# Altium PCB waffling60-MXHS-ANSI.PcbDoc (part 2 of 2)
Units mm, origin at the board's own origin, x right, y up, seen from the top; angles counter-clockwise.
Board outline 284.73 x 94.2 mm, 2 copper layers (Component Side, Bottom Layer), stack 1.571 mm thick; 172 components, 113 nets, 1495 pads, 143 vias.
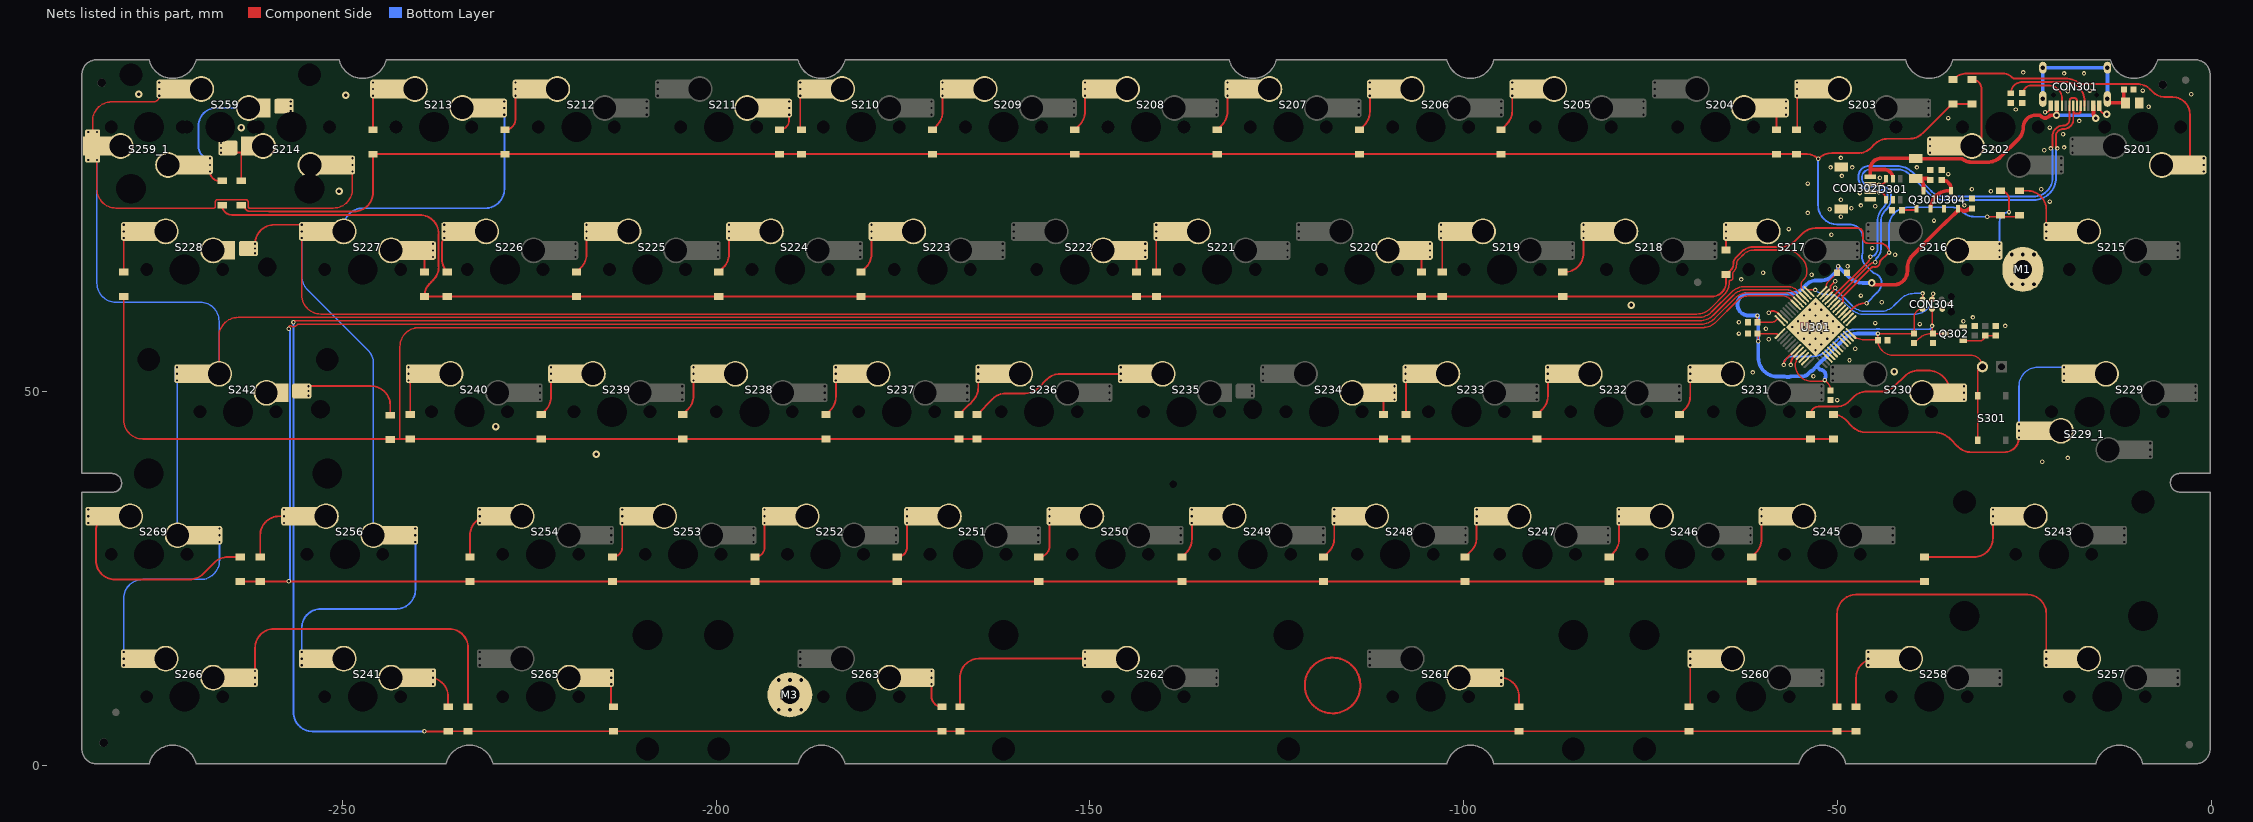
[diagram p2: the nets of this part, all layers, seen from the top]

## Via types
v1: diameter 0.6, hole 0.3, Component Side to Bottom Layer, tented both sides, 104 vias
v2: diameter 0.6, hole 0.3, Component Side to Bottom Layer, tented bottom, 25 vias
v3: diameter 1, hole 0.5, Component Side to Bottom Layer, tented both sides, 14 vias

## Nets (pads, with @x,y where several pads share a name; then routed paths per layer and width w, separated by ;. In a path a pad name is that pad's centre, name@x,y a point inside that pad or via, vN(x,y) a via of type N, cw(c..) or ccw(c..) an arc to the next point about the centre after c; other vN are vias at no path point) (continued)
col13: S213.2 S227.2 S228.2 S241.1 S256.2 U301.38 | length 344.2
  Component Side w0.203: S227.2@-255.597,71.443 -253.565,71.443 S227.2@-253.565,71.445 ; S227.2@-255.425,70.556 -255.425,62.939 ccw(c-252.885,62.939) -252.885,60.399 -68.796,60.399 ccw(c-68.796,62.939) -67,61.143 -65.024,63.119 cw(c-64.839,63.035) -64.997,63.163 ccw(c-66.813,64.646) -64.468,64.646 -64.468,64.717 cw(c-64.265,64.716) -64.275,64.919 ccw(c-64.287,65.22) -63.985,65.22 -63.985,65.907 ; -63.933,66.017 ccw(c-64.981,67.063) -63.929,66.021 ccw(c-64.981,67.063) -63.5,67.063 cw(c-62.598,67.063) -63.235,67.702 -63.052,67.885 -62.596,68.341 cw(c-61.101,66.85) -61.101,68.961 -56.79,68.961 cw(c-56.79,66.781) -55.249,68.322 -54.728,67.802 cw(c-56.24,66.29) -54.102,66.29 -54.102,65.944 cw(c-55.403,65.944) -54.483,65.024 -54.562,64.945 ccw(c-53.835,64.217) -54.864,64.217 ccw(c-53.771,64.217) -54.835,63.966 cw(c-55.033,63.92) -54.831,63.942 ccw(c-54.382,63.989) -54.746,63.722 cw(c-54.911,63.603) -54.745,63.72 -54.741,63.713 -54.736,63.702 cw(c-54.92,63.616) -54.72,63.651 -54.722,63.648 -54.723,63.647 -54.735,63.635 U301.38@-54.596,63.522
  Component Side w0.254: S228.2@-261.667,69.794 cw(c-259.127,69.794) -259.127,72.334 S227.2@-255.425,72.334
  Bottom Layer w0.203: S227.2@-255.425,70.556 -255.425,65.469 ccw(c-252.885,65.469) -254.681,63.673 -246.589,55.581 cw(c-248.385,53.785) -245.845,53.785 S256.2@-245.845,30.805
  Bottom Layer w0.254: S227.2@-255.597,71.445 S227.2@-255.425,71.617 ; S241.1@-255.424,15.184 -255.424,18.415 cw(c-252.884,18.415) -252.884,20.955 -242.775,20.955 ccw(c-242.775,23.495) -240.235,23.495 S256.2@-240.235,29.916 ; S227.2@-249.815,71.445 -249.815,72.009 cw(c-247.275,72.009) -247.275,74.549 -230.87,74.549 ccw(c-230.87,77.089) -228.33,77.089 S213.2@-228.33,87.066
  Bottom Layer w0.6: S228.2@-261.667,68.515 S228.2@-261.667,69.16 S228.2@-261.667,69.794 ; S241.1@-255.424,13.406 S241.1@-255.424,14.295 S241.1@-255.424,15.184 ; S227.2@-255.425,70.556 S227.2@-255.425,71.445 -255.425,71.617 S227.2@-255.425,72.334 ; S256.2@-240.235,29.916 S256.2@-240.235,30.805 S256.2@-240.235,31.694 ; S213.2@-228.33,87.066 S213.2@-228.33,87.955 S213.2@-228.33,88.844
col14: S214.1 S242.1 S259.1 S259_1.2 S266.2 S269.2 U301.39 | length 380.6
  Component Side w0.203: S259_1.2@-283.41,81.915 S259_1.2@-283.41,82.875 S259_1.2@-283.41,83.835 -283.41,86.233 cw(c-280.87,86.233) -280.87,88.773 -275.308,88.773 ccw(c-275.308,89.606) S259.1@-274.475,89.606 ; S259_1.2@-282.821,81.015 -282.821,77.108 ccw(c-280.281,77.108) -280.281,74.568 -267.18,74.568 ccw(c-267.18,74.771) -266.977,74.771 -266.977,75.401 cw(c-266.675,75.401) -266.675,75.703 -264.374,75.703 cw(c-264.374,75.499) -264.267,75.672 cw(c-264.135,75.401) -264.135,75.703 -262.915,75.703 cw(c-262.915,75.401) -262.613,75.401 -262.613,74.771 ccw(c-262.41,74.771) -262.41,74.568 -251.19,74.568 ccw(c-251.19,77.108) -248.65,77.108 S214.1@-248.65,79.446 ; S242.1@-266.49,52.395 -266.49,57.405 cw(c-263.95,57.405) -263.95,59.945 -68.608,59.945 ccw(c-68.608,62.485) -66.812,60.689 -64.181,63.319 cw(c-62.385,61.523) -62.385,64.063 -56.711,64.063 cw(c-56.711,62.035) -55.276,63.469 U301.39@-54.682,62.875
  Bottom Layer w0.203: S259_1.2@-282.821,81.015 -282.821,64.516 ccw(c-280.281,64.516) -280.281,61.976 -269.03,61.976 cw(c-269.03,59.436) -266.49,59.436 S242.1@-266.49,52.395 ; S266.2@-279.237,15.184 -279.237,22.352 cw(c-276.697,22.352) -276.697,24.892 -268.97,24.892 ccw(c-268.97,27.432) -266.43,27.432 S269.2@-266.43,29.916 ; S242.1@-272.1,51.506 -272.1,30.865 ccw(c-272.04,30.865) S269.2@-272.04,30.805
  Bottom Layer w0.6: S259_1.2@-283.999,81.015 S259_1.2@-282.821,81.015 ; S259_1.2@-283.999,84.735 S259_1.2@-282.821,84.735 ; S266.2@-279.237,13.406 S266.2@-279.237,14.295 S266.2@-279.237,15.184 ; S259.1@-274.475,89.606 S259.1@-274.475,90.495 S259.1@-274.475,91.384 ; S242.1@-272.127,51.45 S242.1@-272.127,53.228 ; S269.2@-266.43,29.916 S269.2@-266.43,30.805 S269.2@-266.43,31.694 ; S214.1@-248.65,79.446 S214.1@-248.65,80.335 S214.1@-248.65,81.224
D_N: CON301.A7 CON301.B7 CON302.2 D301.6 U301.32 | length 67.1
  Component Side w0.254: U301.32@-50.033,62.64 -45.649,67.024 cw(c-44.958,66.332) v1(-44.958,67.31) ; CON302.2@-45.625,77.75 -44.209,77.75 ccw(c-44.209,78.464) D301.6@-43.495,78.464 ; v1(-20.574,82.55) cw(c-20.574,82.766) -20.79,82.766 -20.79,84.163 cw(c-19.812,84.163) -19.812,85.141 -19.734,85.141 ccw(c-19.734,86.425) -18.45,86.425 CON301.A7@-18.45,88.25 ; CON301.A7@-18.427,87.525 ccw(c-18.1,87.525) -18.1,87.198 -17.8,87.198 ccw(c-17.8,87.525) -17.473,87.525 -17.473,88.144 cw(c-17.219,88.144) CON301.B7@-17.45,88.25
  Bottom Layer w0.254: v1(-44.958,67.31) ccw(c-45.054,67.406) -44.918,67.406 cw(c-44.149,67.406) -44.876,67.658 cw(c-44.149,67.406) -44.693,67.951 -44.628,68.015 ccw(c-45.672,69.059) -44.196,69.059 -44.196,72.747 cw(c-41.992,72.747) -43.551,74.305 -43.433,74.423 ccw(c-44.842,75.831) -42.926,75.286 ccw(c-44.766,75.787) -42.859,75.787 -42.859,76.012 -42.85,76.021 -42.85,76.352 ccw(c-43.942,76.352) -43.942,77.445 cw(c-43.942,77.894) v1@-44.26,77.576 ; v1(-44.45,77.724) cw(c-45.125,78.399) -44.639,77.577 cw(c-45.125,78.399) -45.125,77.445 -45.568,77.445 cw(c-45.568,78.613) -46.736,78.613 cw(c-45.593,78.613) -45.593,79.756 -42.073,79.756 cw(c-42.073,77.216) -40.277,79.012 -37.796,76.531 ccw(c-35.678,78.649) -37.793,76.528 ccw(c-35.678,78.649) -35.682,75.654 ccw(c-35.678,78.649) -35.678,75.654 -23.749,75.654 ccw(c-23.749,78.651) -20.752,78.651 v1@-20.752,82.423
D_P: CON301.A6 CON301.B6 CON302.3 D301.1 U301.33 | length 68.3
  Component Side w0.254: U301.33@-50.828,62.521 -50.816,62.521 -50.386,62.951 ccw(c-50.386,62.994) -50.356,62.964 -45.837,67.482 ccw(c-46.427,68.072) v1(-45.593,68.072) ; CON302.3@-45.625,76.75 -44.531,76.75 cw(c-44.531,75.714) D301.1@-43.495,75.714 ; v1(-21.463,82.55) ccw(c-21.463,82.766) -21.247,82.766 -21.247,84.163 cw(c-19.812,84.163) -19.812,85.598 ccw(c-19.812,86.46) -18.95,86.46 CON301.B6@-18.95,88.25 ccw(c-19.181,88.356) -18.927,88.354 ccw(c-19.181,88.356) -18.927,88.357 -18.927,88.975 cw(c-18.6,88.975) -18.6,89.302 -18.3,89.302 cw(c-18.3,88.975) -17.973,88.975 -17.973,88.356 ccw(c-17.719,88.356) CON301.A6@-17.95,88.25
  Bottom Layer w0.254: v1(-45.593,68.072) cw(c-45.497,67.976) -45.497,68.112 ccw(c-45.497,68.881) -45.288,68.141 ccw(c-45.497,68.881) -44.952,68.337 ccw(c-45.675,69.06) -44.923,68.368 ccw(c-45.675,69.06) -44.653,69.06 -44.653,72.748 cw(c-41.995,72.748) -43.875,74.627 ; v1(-44.45,76.708) ccw(c-45.125,76.033) -44.639,76.855 ccw(c-45.125,76.033) -45.125,76.987 -45.582,76.987 cw(c-45.582,78.599) -47.193,78.599 -47.193,78.802 cw(c-45.782,78.802) -45.782,80.213 -42.072,80.213 cw(c-42.072,77.219) -39.955,79.336 -37.473,76.855 ccw(c-35.677,78.651) -35.677,76.111 -23.749,76.111 ccw(c-23.749,78.651) -21.209,78.651 v1@-21.209,82.423 ; v1@-44.26,76.856 cw(c-43.942,76.538) -43.942,76.987 cw(c-43.942,76.371) -43.325,76.371 -43.325,76.074 -43.316,76.065 -43.316,75.977 cw(c-45.223,75.977) -43.325,75.791 cw(c-45.223,75.977) -43.875,74.628
GND: C301.1 C302.1 C303.1 C304.1 C305.1 C306.1 C307.1 C308.1 C310.2 C311.1 CON301.A1B12 CON301.B1A12 CON302.4 CON302.5 CON304.5 D301.2 L301.1 M1.1 M3.1 Q302.2 R304.2 R305.2 R307.2 R308.2 R309.2 U301.8 U301.23 U301.35 U301.47 U304.1 | length 50.1
  Component Side w0.203: U301.47@-56.114,58.568 U301.47@-56.043,58.568
  Component Side w0.254: v1(-59.182,60.579) cw(c-58.641,60.038) -58.915,60.752 cw(c-58.641,60.038) -58.641,60.803 cw(c-58.641,59.9) -58.004,60.54 cw(c-58.641,59.9) -58.002,60.538 U301.47@-57.511,60.047 ; v1(-56.261,53.594) cw(c-54.652,53.594) -56.067,54.36 cw(c-54.652,53.594) -55.79,54.732 U301.8@-55.389,55.132 ; U301.47@-56.164,58.7 ccw(c-56.043,58.82) v2(-56.043,58.65) ; U301.35@-51.535,63.229 -51.535,63.241 -50.917,63.859 -50.917,64.176 -50.323,64.77 v1(-50.292,64.77) ; v1(-22.225,87.376) ccw(c-22.225,88.151) -21.45,88.151 CON301.B1A12@-21.45,88.25 ; CON301.A1B12@-14.95,88.25 -14.95,88.102 ccw(c-13.97,88.102) v3(-13.97,87.122)
  Component Side w0.279: -113.815,10.842 ccw(c-117.533,10.705) -113.815,10.829
  Bottom Layer w0.203: v2@-56.043,58.568 v2@-54.488,60.123 ; v2@-51.376,57.012 v2@-54.488,60.123 ; v2@-50.599,57.79 v2@-53.71,60.901 ; v2@-49.821,58.568 -52.932,61.679 v2@-53.71,60.901 ; v2@-54.488,60.123 v2@-53.71,60.901
  other v1: -22.606,40.64 -19.177,41.148 -50.038,48.895 -53.213,52.07 -61.341,52.578 -48.387,54.229 -47.625,55.753 -59.182,57.023 -63.173,57.785 -59.563,58.42 -27.559,58.801 -38.989,59.055 -44.958,59.182 -63.173,59.309 -33.147,59.436 -31.877,59.944 -35.087,61.717 -44.069,61.976 -46.863,62.865 -62.865,65.024 -53.467,65.659 -59.944,65.913 -48.641,66.802 -42.291,68.326 -45.339,69.215 -50.8,70.993 -56.515,71.755 -37.084,72.898 -49.53,73.406 -53.975,73.914 -51.054,74.422 -48.133,74.549 -44.958,74.803 -46.863,74.93 -33.02,74.93 -21.59,75.438 -49.53,75.692 -46.99,76.581 -42.164,76.835 -29.464,76.835 -32.004,77.089 -22.733,77.089 -53.975,77.851 -44.323,78.613 -49.403,78.867 -35.179,79.121 -50.927,80.01 -48.006,80.01 -39.37,80.01 -49.53,81.28 -22.352,82.296 -29.083,82.55 -19.685,82.677 -19.812,84.455 -21.59,85.344 -17.653,86.233 -35.179,86.614 -26.162,87.757 -8.382,88.138 -2.667,89.789 -19.177,90.17 -16.256,90.297 -9.144,90.297 -19.685,92.583 -17.018,92.583 -25.146,92.71
  other v2: -52.932,55.539 -53.71,56.316 -52.154,56.316 -54.488,57.094 -52.932,57.094 -51.376,57.094 -55.265,57.872 -53.71,57.872 -52.154,57.872 -50.599,57.872 -54.488,58.65 -52.932,58.65 -51.376,58.65 -49.821,58.65 -55.265,59.428 -53.71,59.428 -52.154,59.428 -50.599,59.428 -54.488,60.206 -52.932,60.206 -51.376,60.206 -53.71,60.983 -52.154,60.983 -52.932,61.761
  other v3: -216.027,41.656 -229.489,45.339 -42.418,52.705 -77.597,61.595 -250.444,76.835 -263.525,85.344 -249.555,89.662 -277.241,89.789
LED: U301.29
NetC306_2: C306.2 F301.1 Q301.3 | length 4.2
  Component Side w0.5: Q301.3@-38.481,76.892 -38.481,77.517 ccw(c-39.497,77.517) F301.1@-39.497,78.533 -38.048,78.533 cw(c-38.048,77.888) C306.2@-37.592,78.344
NetC309_1: C309.1 Q302.1 R305.1 | length 4.7
  Component Side w0.203: Q302.1@-33.164,56.82 -33.158,56.814 -30.953,56.814 ccw(c-30.953,57.516) -30.251,57.516 C309.1@-30.226,57.516 R305.1@-28.829,57.516
NetC311_2: C311.2 CON301.S1 L301.2 | length 21.7
  Component Side w0.5: CON301.S1@-13.88,89.165 -13.88,88.646 L301.2@-11.699,88.646 ; C311.2@-11.699,90.424 L301.2@-11.699,88.646 ; L301.2@-11.461,88.646 L301.2@-11.699,88.646
  Bottom Layer w0.5: CON301.S1@-22.52,89.165 CON301.S1@-22.52,93.345 CON301.S1@-13.88,93.345 CON301.S1@-13.88,89.165
NetCON301_A5: CON301.A5 R307.1 | length 12.8
  Component Side w0.254: R307.1@-26.797,89.931 cw(c-25.288,89.931) -25.288,91.44 -19.49,91.44 cw(c-19.49,88.9) -16.95,88.9 CON301.A5@-16.95,88.25
NetCON301_B5: CON301.B5 R308.1 | length 8.2
  Component Side w0.254: R308.1@-25.146,89.931 cw(c-24.091,89.931) -24.091,90.986 -21.771,90.986 cw(c-21.771,89.154) -19.939,89.154 -19.939,88 -19.95,88 CON301.B5@-19.95,88.138
NetD201_1: D201.1 S201.1 | length 42.6
  Component Side w0.254: D201.1@-34.544,91.779 -34.506,91.817 cw(c-32.71,90.021) -32.71,92.561 -27.843,92.561 cw(c-27.843,90.902) -26.67,92.075 ccw(c-26.233,92.512) -26.233,91.894 -19.49,91.894 cw(c-19.49,88.9) -17.612,91.231 ccw(c-17.453,91.43) -17.454,91.176 -9.932,91.176 cw(c-9.932,88.636) -8.136,90.432 -7.856,90.152 ccw(c-6.06,91.948) -6.06,89.408 -5.146,89.408 cw(c-5.146,87.122) -2.86,87.122 S201.1@-2.86,80.335
  Bottom Layer w0.6: S201.1@-1,79.446 S201.1@-1,80.335 S201.1@-1,81.224
NetD202_1: D202.1 S202.1 | length 12.1
  Component Side w0.254: S202.1@-32.01,82.875 ccw(c-32.01,84.151) -30.734,84.151 -30.734,87.508 -30.734,90.509 ccw(c-32.004,90.509) D202.1@-32.004,91.779
  Bottom Layer w0.6: S202.1@-37.62,81.986 S202.1@-37.62,82.875 S202.1@-37.62,83.764
NetD203_1: D203.1 S203.1 | length 6.4
  Component Side w0.203: D203.1@-55.499,85.05 ccw(c-55.738,85.289) -55.4,85.289 S203.1@-55.4,89.606
  Bottom Layer w0.6: S203.1@-55.4,89.606 S203.1@-55.4,90.495 S203.1@-55.4,91.384
NetD204_1: D204.1 S204.1 | length 4.8
  Component Side w0.254: S204.1@-58.74,87.955 cw(c-60.126,86.569) -58.166,86.569 D204.1@-58.166,85.05
  Bottom Layer w0.6: S204.1@-56.88,87.066 S204.1@-56.88,87.955 S204.1@-56.88,88.844
NetD205_1: D205.1 S205.1 | length 6.8
  Component Side w0.254: D205.1@-94.996,85.05 -94.244,85.802 ccw(c-96.04,87.598) -93.5,87.598 S205.1@-93.5,89.606
  Bottom Layer w0.6: S205.1@-93.5,89.606 S205.1@-93.5,90.495 S205.1@-93.5,91.384
NetD206_1: D206.1 S206.1 | length 6.8
  Component Side w0.254: D206.1@-113.919,85.05 -113.294,85.675 ccw(c-115.09,87.471) -112.55,87.471 S206.1@-112.55,89.606
  Bottom Layer w0.6: S206.1@-112.55,89.606 S206.1@-112.55,90.495 S206.1@-112.55,91.384
NetD207_1: D207.1 S207.1 | length 6.8
  Component Side w0.254: D207.1@-132.969,85.05 -132.344,85.675 ccw(c-134.14,87.471) -131.6,87.471 S207.1@-131.6,89.606
  Bottom Layer w0.6: S207.1@-131.6,89.606 S207.1@-131.6,90.495 S207.1@-131.6,91.384
NetD208_1: D208.1 S208.1 | length 6.8
  Component Side w0.254: D208.1@-152.019,85.05 -151.394,85.675 ccw(c-153.19,87.471) -150.65,87.471 S208.1@-150.65,89.606
  Bottom Layer w0.6: S208.1@-150.65,89.606 S208.1@-150.65,90.495 S208.1@-150.65,91.384
NetD209_1: D209.1 S209.1 | length 6.8
  Component Side w0.254: D209.1@-171.069,85.05 -170.444,85.675 ccw(c-172.24,87.471) -169.7,87.471 S209.1@-169.7,89.606
  Bottom Layer w0.6: S209.1@-169.7,89.606 S209.1@-169.7,90.495 S209.1@-169.7,91.384
NetD210_1: D210.1 S210.1 | length 6.4
  Component Side w0.254: S210.1@-188.75,89.606 -188.75,85.205 ccw(c-188.595,85.205) D210.1@-188.595,85.05
  Bottom Layer w0.6: S210.1@-188.75,89.606 S210.1@-188.75,90.495 S210.1@-188.75,91.384
NetD211_1: D211.1 S211.1 | length 4.5
  Component Side w0.254: D211.1@-191.516,85.05 ccw(c-191.516,86.336) -190.23,86.336 S211.1@-190.23,87.066
  Bottom Layer w0.6: S211.1@-190.23,87.066 S211.1@-190.23,87.955 S211.1@-190.23,88.844
NetD212_1: D212.1 S212.1 | length 7.1
  Component Side w0.254: D212.1@-228.219,85.05 ccw(c-228.219,86.419) -226.85,86.419 S212.1@-226.85,89.606
  Bottom Layer w0.6: S212.1@-226.85,89.606 S212.1@-226.85,90.495 S212.1@-226.85,91.384
NetD213_1: D213.1 S213.1 | length 6.3
  Component Side w0.254: D213.1@-245.9,85.05 S213.1@-245.9,89.606
  Bottom Layer w0.6: S213.1@-245.9,89.606 S213.1@-245.9,90.495 S213.1@-245.9,91.384
NetD214_1: D214.1 S214.2 | length 8.6
  Component Side w0.254: S214.2@-266.22,81.986 -263.525,81.986 D214.1@-263.525,78.216 ; S214.2@-264.668,82.131 cw(c-263.616,82.131) S214.2@-264.36,82.875
  Bottom Layer w0.6: S214.2@-266.22,81.986 S214.2@-266.22,82.62 S214.2@-266.22,83.265
NetD215_1: D215.1 S215.1 | length 8.9
  Component Side w0.254: D215.1@-25.654,76.889 -24.602,76.889 cw(c-24.602,74.349) -22.062,74.349 S215.1@-22.062,72.334 ; S215.1@-20.258,71.501 S215.1@-20.202,71.445
  Bottom Layer w0.6: S215.1@-22.062,70.556 S215.1@-22.062,71.445 S215.1@-22.062,72.334
NetD216_1: D216.1 S216.1 | length 10.3
  Component Side w0.254: S216.1@-30.226,68.844 S216.1@-30.165,68.905 ; D216.1@-28.194,76.889 cw(c-28.194,75.746) -27.051,75.746 v1(-27.051,74.033)
  Bottom Layer w0.254: S216.1@-28.305,69.794 -28.305,72.779 cw(c-27.051,72.779) v1(-27.051,74.033)
  Bottom Layer w0.6: S216.1@-28.305,68.016 S216.1@-28.305,68.905 S216.1@-28.305,69.794
NetD217_1: D217.1 S217.1 | length 3.4
  Component Side w0.254: S217.1@-64.925,70.556 cw(c-64.925,70.528) -64.897,70.528 D217.1@-64.897,68.945
  Bottom Layer w0.6: S217.1@-64.925,70.556 S217.1@-64.925,71.445 S217.1@-64.925,72.334
NetD218_1: D218.1 S218.1 | length 8
  Component Side w0.254: D218.1@-86.741,66 -86.515,66 ccw(c-86.515,68.54) -83.975,68.54 S218.1@-83.975,70.556
  Bottom Layer w0.6: S218.1@-83.975,70.556 S218.1@-83.975,71.445 S218.1@-83.975,72.334
NetD219_1: D219.1 S219.1 | length 7.8
  Component Side w0.254: S219.1@-103.025,70.556 cw(c-103.025,70.401) -102.87,70.401 -102.87,68.688 D219.1@-102.87,66 ; S219.1@-102.126,70.484 S219.1@-101.165,71.445
  Bottom Layer w0.6: S219.1@-103.025,70.556 S219.1@-103.025,71.445 S219.1@-103.025,72.334
NetD220_1: D220.1 S220.1 | length 5.1
  Component Side w0.254: S220.1@-106.365,68.905 cw(c-106.365,68.712) -106.172,68.712 -106.172,68.072 cw(c-106.172,67.564) -105.664,67.564 D220.1@-105.664,66
  Bottom Layer w0.6: S220.1@-104.505,68.016 S220.1@-104.505,68.905 S220.1@-104.505,69.794
NetD221_1: D221.1 S221.1 | length 7.9
  Component Side w0.254: S221.1@-141.125,70.556 -141.125,66.068 ccw(c-141.029,66.068) D221.1@-141.097,66 ; S221.1@-140.353,70.357 S221.1@-139.265,71.445
  Bottom Layer w0.6: S221.1@-141.125,70.556 S221.1@-141.125,71.445 S221.1@-141.125,72.334
NetD222_1: D222.1 S222.1 | length 4.9
  Component Side w0.254: S222.1@-144.465,68.905 cw(c-146.157,67.213) -143.764,67.213 D222.1@-143.764,66
  Bottom Layer w0.6: S222.1@-142.605,68.016 S222.1@-142.605,68.905 S222.1@-142.605,69.794
NetD223_1: D223.1 S223.1 | length 6.8
  Component Side w0.254: D223.1@-180.594,66 -179.969,66.625 ccw(c-181.765,68.421) -179.225,68.421 S223.1@-179.225,70.556
  Bottom Layer w0.6: S223.1@-179.225,70.556 S223.1@-179.225,71.445 S223.1@-179.225,72.334
NetD224_1: D224.1 S224.1 | length 6.8
  Component Side w0.254: D224.1@-199.644,66 -199.019,66.625 ccw(c-200.815,68.421) -198.275,68.421 S224.1@-198.275,70.556
  Bottom Layer w0.6: S224.1@-198.275,70.556 S224.1@-198.275,71.445 S224.1@-198.275,72.334
NetD225_1: D225.1 S225.1 | length 6.8
  Component Side w0.254: D225.1@-218.694,66 -218.069,66.625 ccw(c-219.865,68.421) -217.325,68.421 S225.1@-217.325,70.556
  Bottom Layer w0.6: S225.1@-217.325,70.556 S225.1@-217.325,71.445 S225.1@-217.325,72.334
NetD226_1: D226.1 S226.1 | length 8
  Component Side w0.254: S226.1@-236.375,70.556 ccw(c-235.699,69.88) -236.655,69.88 -236.655,67.687 ccw(c-234.303,67.687) D226.1@-236.068,66.133 ; D226.1@-236.271,66.354 -236.271,66.352 D226.1@-236.068,66.133 ; S226.1@-235.222,70.738 S226.1@-234.515,71.445 ; D226.1@-236.068,66.133 ccw(c-234.303,67.687) D226.1@-235.988,66.046 ; D226.1@-236.068,66.133 D226.1@-235.988,66.046 ; D226.1@-235.988,66.046 ccw(c-234.303,67.687) D226.1@-235.984,66.042 ; D226.1@-235.988,66.046 D226.1@-235.984,66.042 ; D226.1@-235.984,66.042 ccw(c-234.303,67.687) D226.1@-235.966,66.024 D226.1@-235.984,66.042
  Bottom Layer w0.6: S226.1@-236.375,70.556 S226.1@-236.375,71.445 S226.1@-236.375,72.334
NetD227_1: D227.1 S227.1 | length 4.8
  Component Side w0.254: S227.1@-239.715,68.905 cw(c-241.407,67.213) -239.014,67.213 D227.1@-239.014,66.024
  Bottom Layer w0.6: S227.1@-237.855,68.016 S227.1@-237.855,68.905 S227.1@-237.855,69.794
NetD228_1: D228.1 S259.2 S259_1.1 | length 18.7
  Component Side w0.254: S259_1.1@-267.7,79.446 ccw(c-266.47,79.446) -266.47,78.216 D228.1@-266.065,78.216
  Bottom Layer w0.254: S259_1.1@-267.7,81.224 cw(c-267.7,82.764) -269.24,82.764 -269.24,85.598 cw(c-266.883,85.598) -266.883,87.955 S259.2@-262.515,87.955
  Bottom Layer w0.6: S259_1.1@-267.7,79.446 S259_1.1@-267.7,80.335 S259_1.1@-267.7,81.224 ; S259.2@-256.905,87.565 S259.2@-256.905,88.21 S259.2@-256.905,88.844
NetD229_1: D229.1 S229.1 S229_1.2 | length 43.7
  Component Side w0.254: D229.1@-50.546,46.95 cw(c-50.546,44.707) -48.961,46.294 ; -48.96,46.293 -47.988,45.321 ccw(c-46.192,47.117) -46.192,44.577 -36.993,44.577 cw(c-36.993,42.037) -36.374,44.5 ccw(c-36.312,44.747) -36.369,44.499 cw(c-37.047,41.583) -34.929,43.699 -33.884,42.654 ccw(c-32.088,44.45) -32.088,41.91 -27.69,41.91 ccw(c-27.69,43.886) S229_1.2@-25.714,43.886
  Bottom Layer w0.203: S229_1.2@-25.714,45.664 -25.714,50.744 cw(c-23.174,50.744) -23.174,53.284 S229.1@-19.681,53.284
  Bottom Layer w0.6: S229_1.2@-25.714,43.886 S229_1.2@-25.714,44.775 S229_1.2@-25.714,45.664 ; S229.1@-19.681,51.506 S229.1@-19.681,52.395 S229.1@-19.681,53.284
NetD230_1: D230.1 S230.1 | length 24.3
  Component Side w0.254: D230.1@-53.594,46.95 cw(c-52.538,46.95) -52.538,48.006 -50.201,48.006 ccw(c-50.201,50.546) -48.405,48.75 -47.861,49.294 cw(c-46.065,47.498) -46.065,50.038 -44.105,50.038 ccw(c-44.105,52.578) -42.309,50.782 -41.003,52.088 cw(c-39.207,50.292) -39.207,52.832 -37.904,52.832 cw(c-37.904,49.855) -35.147,50.978 S230.1@-34.927,49.855
  Bottom Layer w0.6: S230.1@-33.067,48.966 S230.1@-33.067,49.855 S230.1@-33.067,50.744
NetD231_1: D231.1 S231.1 | length 6.8
  Component Side w0.254: D231.1@-71.12,46.95 -70.431,47.639 ccw(c-72.227,49.435) -69.687,49.435 S231.1@-69.687,51.506
  Bottom Layer w0.6: S231.1@-69.687,51.506 S231.1@-69.687,52.395 S231.1@-69.687,53.284
NetD232_1: D232.1 S232.1 | length 6.8
  Component Side w0.254: D232.1@-90.17,46.95 -89.481,47.639 ccw(c-91.277,49.435) -88.737,49.435 S232.1@-88.737,51.506
  Bottom Layer w0.6: S232.1@-88.737,51.506 S232.1@-88.737,52.395 S232.1@-88.737,53.284
NetD233_1: D233.1 S233.1 | length 6.4
  Component Side w0.254: S233.1@-107.787,51.506 cw(c-108.007,51.286) -107.696,51.286 D233.1@-107.696,46.95
  Bottom Layer w0.6: S233.1@-107.787,51.506 S233.1@-107.787,52.395 S233.1@-107.787,53.284
NetD234_1: D234.1 S234.1 | length 4.8